# Altium PCB BB.PcbDoc (part 6 of 9)
Units mil, origin at the board's own origin, x right, y up, seen from the top; angles counter-clockwise.
Board outline 6860 x 3500 mil, 6 copper layers (Component Side, Ground Plane (GND), Inner Layer 1, Inner Layer 2, Power Plane (VCC), Solder Side), stack 51.068 mil thick; 496 components, 500 nets, 2194 pads, 1226 vias.
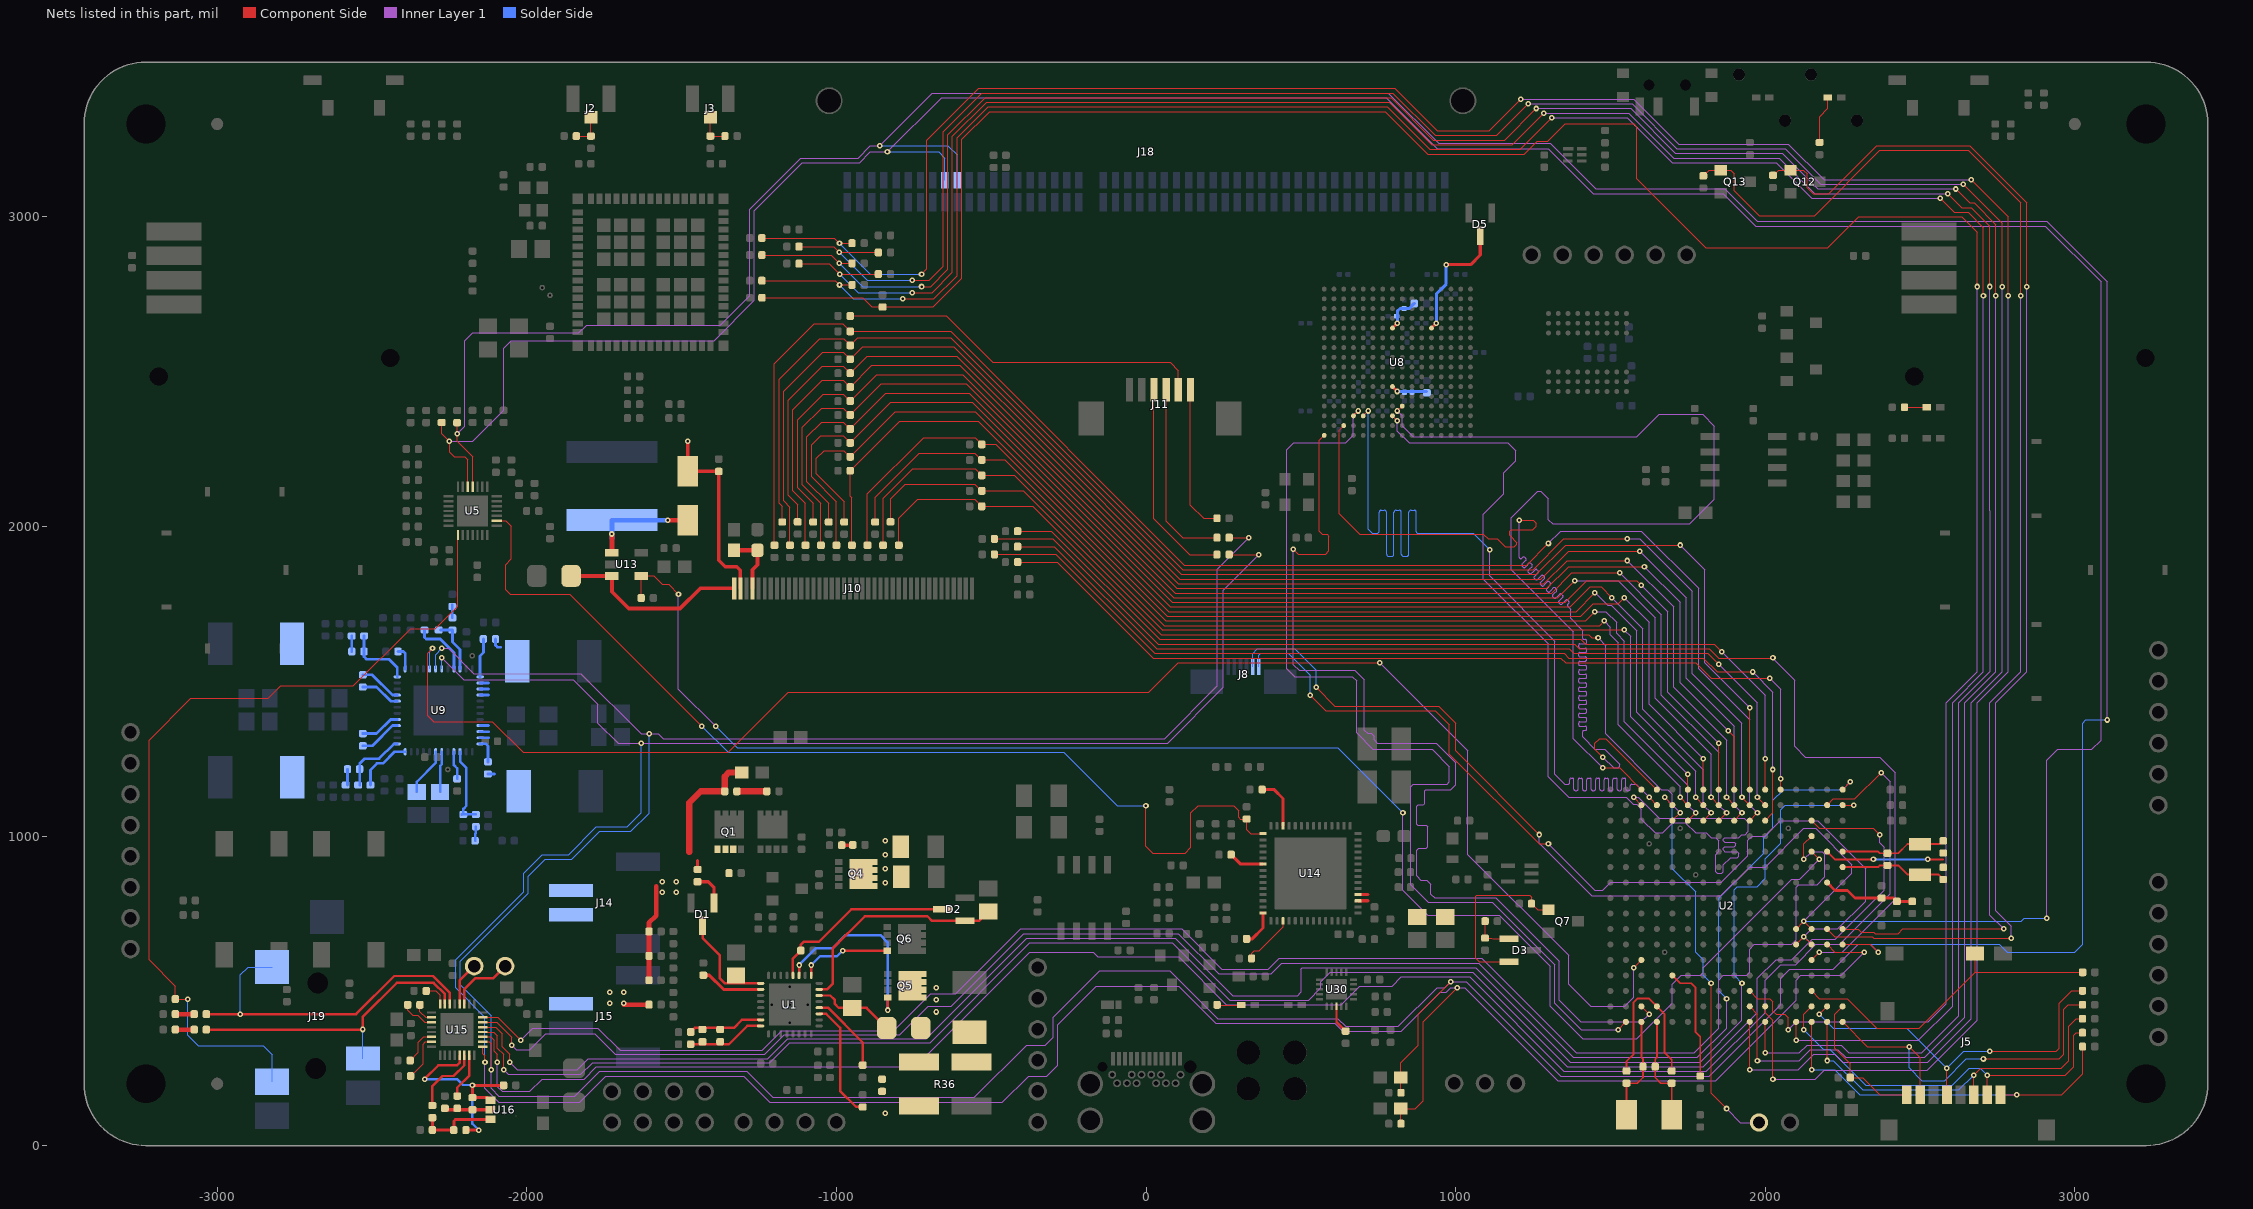
[diagram p10: the nets of this part, all layers, seen from the top]

## Via types
v1: diameter 18, hole 8, Component Side to Solder Side, tented both sides, 1183 vias
v2: diameter 19.68, hole 8, Component Side to Solder Side, tented bottom, 32 vias
v3: diameter 19.68, hole 7.87, Component Side to Solder Side, tented bottom, 4 vias
v4: diameter 19.68, hole 8, Component Side to Solder Side, tented both sides, 4 vias
v5: diameter 18, hole 8, Component Side to Solder Side, tented bottom, 3 vias

## Nets (pads, with @x,y where several pads share a name; then routed paths per layer and width w, separated by ;. In a path a pad name is that pad's centre, name@x,y a point inside that pad or via, vN(x,y) a via of type N, cw(c..) or ccw(c..) an arc to the next point about the centre after c; other vN are vias at no path point) (continued)
GPMC_CSN1: U2.P2 U8.P8 | length 3273.3
  Component Side w4: U8.P8@796.06,2357.28 v1(811.81,2341.53) ; v1(1575,1124.82) U2.P2@1600,1099.82
  Inner Layer 1 w4: v1(811.81,2341.53) 811.81,2308.19 850,2270 1169,2270 1195,2244 1195,2213 1155,2173 1155,2105 1090,2040 1090,1830 1299,1621 1299,1191 1365.18,1124.82 1551.18,1124.82 1574,1102 1584.82,1102 1600,1086.82 1600,1055 1644.51,1010.49 1669.49,1010.49 1702,1043 1742,1043 1775,1010 1810,1010 1825,995 1840,995 1850,985 1850,950.18 1840,940.18 1840,885 1845,880 1860,880 1865,885 1865,906.82 1888.18,930 1910,930 1915,935 1915,945 1910,950 1870,950 1865,955 1865,960 1870,965 1900,965 1905,970 1905,975 1900,980 1870,980 1865,985 1865,990 1870,995 1915,995 1925,1005 1935,1005 1945,1015 1945,1045 1933,1057 1658,1057 1590.18,1124.82 v1(1575,1124.82)
GPMC_CSN2: U2.P1 U8.N9 | length 3273.1
  Component Side w4: v1(811.81,2373.03) U8.N9@827.56,2388.78 ; v1(1475,1220) 1529.82,1220 U2.P1@1600,1149.82
  Inner Layer 1 w4: v1(811.81,2373.03) 827.56,2357.28 827.56,2325.75 863.31,2290 1585,2290 1657,2362 1798,2362 1836,2324 1836,2088 1756,2008 1314,2008 1300,2022 1300,2089 1275,2114 1266,2114 1180,2028 1180,1860 1380,1660 1380,1315 v1(1475,1220)
GPMC_OEN_REN: U2.N1 U8.R3 | length 3272.9
  Component Side w4: U8.R3@638.58,2325.79 623.78,2310.98 623.78,2041.73 690.51,1975 1090,1975 1105,1960 1134.84,1960 1160.04,1934.8 1189.8,1934.8 1198,1943 1198,1948 1175,1971 1175,1985 1179.93,1989.93 1249.93,1989.93 1260,2000 1260,2010 1250,2020 v1(1205,2020) ; v1(1475,1255) 1450,1280 1450,1300 1465,1315 1484.82,1315 U2.N1@1650,1149.82
  Inner Layer 1 w4: v1(1205,2020) 1205,1900 1206,1899 1207.98,1897.02 ccw(c1210.95,1899.99) 1213.92,1897.02 1217.17,1900.27 cw(c1220.14,1897.3) 1223.11,1900.27 1227.07,1896.31 cw(c1224.1,1893.34) 1227.07,1890.37 1220.85,1884.15 1214.63,1877.93 ccw(c1217.6,1874.96) 1214.63,1871.99 1218.59,1868.03 ccw(c1221.56,1871) 1224.53,1868.03 1230.75,1874.25 1236.97,1880.47 cw(c1239.94,1877.5) 1242.91,1880.47 1246.87,1876.51 cw(c1243.9,1873.54) 1246.87,1870.57 1240.65,1864.35 1234.43,1858.13 ccw(c1237.4,1855.16) 1234.43,1852.19 1238.39,1848.23 ccw(c1241.36,1851.2) 1244.33,1848.23 1250.55,1854.45 1256.77,1860.67 cw(c1259.74,1857.7) 1262.71,1860.67 1266.67,1856.72 cw(c1263.7,1853.75) 1266.67,1850.78 1260.45,1844.55 1254.22,1838.33 ccw(c1257.19,1835.36) 1254.22,1832.39 1258.18,1828.43 ccw(c1261.15,1831.4) 1264.12,1828.43 1270.35,1834.65 1276.57,1840.88 cw(c1279.54,1837.91) 1282.51,1840.88 1286.47,1836.92 cw(c1283.5,1833.95) 1286.47,1830.98 1280.25,1824.75 1274.02,1818.53 ccw(c1276.99,1815.56) 1274.02,1812.59 1277.98,1808.63 ccw(c1280.95,1811.6) 1283.92,1808.63 1290.15,1814.85 1296.37,1821.08 cw(c1299.34,1818.11) 1302.31,1821.08 1306.27,1817.12 cw(c1303.3,1814.15) 1306.27,1811.18 1300.05,1804.95 1293.82,1798.73 ccw(c1296.79,1795.76) 1293.82,1792.79 1297.78,1788.83 ccw(c1300.75,1791.8) 1303.72,1788.83 1309.94,1795.06 1316.17,1801.28 cw(c1319.14,1798.31) 1322.11,1801.28 1326.07,1797.32 cw(c1323.1,1794.35) 1326.07,1791.38 1319.84,1785.16 1313.62,1778.93 ccw(c1316.59,1775.96) 1313.62,1772.99 1317.58,1769.03 ccw(c1320.55,1772) 1323.52,1769.03 1329.74,1775.26 1335.97,1781.48 cw(c1338.94,1778.51) 1341.91,1781.48 1345.87,1777.52 cw(c1342.9,1774.55) 1345.87,1771.58 1339.64,1765.36 1333.42,1759.13 ccw(c1336.39,1756.16) 1333.42,1753.19 1337.38,1749.23 ccw(c1340.35,1752.2) 1343.32,1749.23 1349.54,1755.46 1355.77,1761.68 cw(c1358.74,1758.71) 1361.7,1761.68 1365.66,1757.72 cw(c1362.69,1754.75) 1365.66,1751.78 1362.41,1748.53 ccw(c1365.38,1745.56) 1362.41,1742.59 1369.34,1735.66 1372,1733 1372,1703 1406.5,1668.5 1410,1665 1410,1654 1410,1649 1410,1639.2 ccw(c1414.2,1639.2) 1414.2,1635 1418.8,1635 cw(c1418.8,1630.8) 1423,1630.8 1423,1625.2 cw(c1418.8,1625.2) 1418.8,1621 1410,1621 1401.2,1621 ccw(c1401.2,1616.8) 1397,1616.8 1397,1611.2 ccw(c1401.2,1611.2) 1401.2,1607 1410,1607 1418.8,1607 cw(c1418.8,1602.8) 1423,1602.8 1423,1597.2 cw(c1418.8,1597.2) 1418.8,1593 1410,1593 1401.2,1593 ccw(c1401.2,1588.8) 1397,1588.8 1397,1583.2 ccw(c1401.2,1583.2) 1401.2,1579 1410,1579 1418.8,1579 cw(c1418.8,1574.8) 1423,1574.8 1423,1569.2 cw(c1418.8,1569.2) 1418.8,1565 1410,1565 1401.2,1565 ccw(c1401.2,1560.8) 1397,1560.8 1397,1555.2 ccw(c1401.2,1555.2) 1401.2,1551 1410,1551 1418.8,1551 cw(c1418.8,1546.8) 1423,1546.8 1423,1541.2 cw(c1418.8,1541.2) 1418.8,1537 1410,1537 1401.2,1537 ccw(c1401.2,1532.8) 1397,1532.8 1397,1527.2 ccw(c1401.2,1527.2) 1401.2,1523 1410,1523 1418.8,1523 cw(c1418.8,1518.8) 1423,1518.8 1423,1513.2 cw(c1418.8,1513.2) 1418.8,1509 1410,1509 1401.2,1509 ccw(c1401.2,1504.8) 1397,1504.8 1397,1499.2 ccw(c1401.2,1499.2) 1401.2,1495 1410,1495 1418.8,1495 cw(c1418.8,1490.8) 1423,1490.8 1423,1485.2 cw(c1418.8,1485.2) 1418.8,1481 1410,1481 1401.2,1481 ccw(c1401.2,1476.8) 1397,1476.8 1397,1471.2 ccw(c1401.2,1471.2) 1401.2,1467 1410,1467 1418.8,1467 cw(c1418.8,1462.8) 1423,1462.8 1423,1457.2 cw(c1418.8,1457.2) 1418.8,1453 1410,1453 1401.2,1453 ccw(c1401.2,1448.8) 1397,1448.8 1397,1443.2 ccw(c1401.2,1443.2) 1401.2,1439 1410,1439 1418.8,1439 cw(c1418.8,1434.8) 1423,1434.8 1423,1429.2 cw(c1418.8,1429.2) 1418.8,1425 1410,1425 1401.2,1425 ccw(c1401.2,1420.8) 1397,1420.8 1397,1415.2 ccw(c1401.2,1415.2) 1401.2,1411 1410,1411 1418.8,1411 cw(c1418.8,1406.8) 1423,1406.8 1423,1401.2 cw(c1418.8,1401.2) 1418.8,1397 1410,1397 1401.2,1397 ccw(c1401.2,1392.8) 1397,1392.8 1397,1387.2 ccw(c1401.2,1387.2) 1401.2,1383 1410,1383 1418.8,1383 cw(c1418.8,1378.8) 1423,1378.8 1423,1373.2 cw(c1418.8,1373.2) 1418.8,1369 1410,1369 1401.2,1369 ccw(c1401.2,1364.8) 1397,1364.8 1397,1359.2 ccw(c1401.2,1359.2) 1401.2,1355 1410,1355 1418.8,1355 cw(c1418.8,1350.8) 1423,1350.8 1423,1345.2 cw(c1418.8,1345.2) 1418.8,1341 1414.2,1341 ccw(c1414.2,1336.8) 1410,1336.8 1410,1327 1410,1320 1450,1280 1482,1280 1530,1232 1530,1225 1525,1220 1510,1220 v1(1475,1255)
GPMC_WAIT0: U2.P15 U8.T1 | length 3273.3
  Component Side w4: v1(476,1926) 492,1910 580,1910 591,1921 591,1969 585,1975 569,1975 560.2,1983.8 560.2,2278.9 U8.T1@575.59,2294.29 ; U2.P15@1600,449.82 v1(1625,424.82)
  Inner Layer 1 w4: v1(476,1926) 476,1554 495,1535 675,1535 705,1505 705,1342.58 715.65,1331.94 727.06,1331.94 736.94,1322.06 736.94,1310.65 747.58,1300 937,1300 1000,1237 1000,1166.46 983.54,1150 904,1150 900,1146 900,1105 896,1101 879,1101 874.8,1096.8 874.8,1038.2 878,1035 905,1035 910,1030 910,965 905,960 881,960 874.8,953.8 874.8,871.2 888,858 906,858 920,844 920,812.09 932.09,800 1130,800 1335,595 1335,470 1405,400 1600.18,400 v1(1625,424.82)
GPMC_WEN: U2.N2 U8.P5 | length 3214.7
  Component Side w4: U8.P5@701.57,2357.28 v1(717.32,2373.03) ; v1(1625,1124.82) U2.N2@1650,1099.82
  Inner Layer 1 w4: v1(1110,1925) 1110,1840 1320,1630 1320,1200 1349,1171 1353,1167 1354,1167 1363.1,1167 ccw(c1363.1,1171.9) 1368,1171.9 1368,1182.1 cw(c1372.9,1182.1) 1372.9,1187 1377.1,1187 cw(c1377.1,1182.1) 1382,1182.1 1382,1167 1382,1151.9 ccw(c1386.9,1151.9) 1386.9,1147 1391.1,1147 ccw(c1391.1,1151.9) 1396,1151.9 1396,1167 1396,1182.1 cw(c1400.9,1182.1) 1400.9,1187 1405.1,1187 cw(c1405.1,1182.1) 1410,1182.1 1410,1167 1410,1151.9 ccw(c1414.9,1151.9) 1414.9,1147 1419.1,1147 ccw(c1419.1,1151.9) 1424,1151.9 1424,1167 1424,1182.1 cw(c1428.9,1182.1) 1428.9,1187 1433.1,1187 cw(c1433.1,1182.1) 1438,1182.1 1438,1167 1438,1151.9 ccw(c1442.9,1151.9) 1442.9,1147 1447.1,1147 ccw(c1447.1,1151.9) 1452,1151.9 1452,1167 1452,1182.1 cw(c1456.9,1182.1) 1456.9,1187 1461.1,1187 cw(c1461.1,1182.1) 1466,1182.1 1466,1167 1466,1151.9 ccw(c1470.9,1151.9) 1470.9,1147 1475.1,1147 ccw(c1475.1,1151.9) 1480,1151.9 1480,1167 1480,1182.1 cw(c1484.9,1182.1) 1484.9,1187 1489.1,1187 cw(c1489.1,1182.1) 1494,1182.1 1494,1167 1494,1151.9 ccw(c1498.9,1151.9) 1498.9,1147 1503.1,1147 ccw(c1503.1,1151.9) 1508,1151.9 1508,1167 1508,1182.1 cw(c1512.9,1182.1) 1512.9,1187 1517.1,1187 cw(c1517.1,1182.1) 1522,1182.1 1522,1167 1522,1151.9 ccw(c1526.9,1151.9) 1526.9,1147 1531.1,1147 ccw(c1531.1,1151.9) 1536,1151.9 1536,1167 1536,1182.1 cw(c1540.9,1182.1) 1540.9,1187 1545.1,1187 cw(c1545.1,1182.1) 1550,1182.1 1550,1167 1550,1151.9 ccw(c1554.9,1151.9) 1554.9,1147 1559.1,1147 ccw(c1559.1,1151.9) 1564,1151.9 1564,1162.1 cw(c1568.9,1162.1) 1568.9,1167 1571,1167 1582.82,1167 v1(1625,1124.82)
  Solder Side w4: v1(717.32,2373.03) 717.32,1991.68 731,1978 741,1978 745.8,1978 ccw(c745.8,1985.2) 753,1985.2 753,2045.45 cw(c760.2,2045.45) 760.2,2052.65 769.8,2052.65 cw(c769.8,2045.45) 777,2045.45 777,1978 777,1910.55 ccw(c784.2,1910.55) 784.2,1903.35 793.8,1903.35 ccw(c793.8,1910.55) 801,1910.55 801,1978 801,2045.45 cw(c808.2,2045.45) 808.2,2052.65 817.8,2052.65 cw(c817.8,2045.45) 825,2045.45 825,1978 825,1910.55 ccw(c832.2,1910.55) 832.2,1903.35 841.8,1903.35 ccw(c841.8,1910.55) 849,1910.55 849,1978 849,2045.45 cw(c856.2,2045.45) 856.2,2052.65 865.8,2052.65 cw(c865.8,2045.45) 873,2045.45 873,1983 ccw(c878,1983) 878,1978 1057,1978 v1(1110,1925)
GPMC_WPN: U2.R16 U8.P4 | length 3273.9
  Component Side w4: U8.P4@670.08,2357.28 v1(685.83,2373.03) ; v1(1525,374.82) U2.R16@1550,399.82
  Inner Layer 1 w4: v1(685.83,2373.03) 670,2357.2 670,2295 645.86,2270.86 477.86,2270.86 455,2248 455,1540 480,1515 666,1515 680,1501 680,1333 733,1280 924,1280 980,1224 980,1175 973,1168 863,1168 855,1160 855,842 911,786 1119,786 1320,585 1320,460 1405.18,374.82 v1(1525,374.82)
HIDRV: Q5.4 U1.27 | length 627.5
  Component Side w8: U1.27@-1120.55,549.98 v1(-1120.55,583.44) ; v1(-834.53,438.15) Q5.4@-834.53,478.11
  Solder Side w8: v1(-1120.55,583.44) -1066.99,637 -1013,637 -970,680 -858,680 -834.53,656.53 v1(-834.53,438.15)
HP_DETECT_N: J19.4 R130.2 U5.8 | length 2821.1
  Component Side w4: v1@-3095,473.5 -3135,473.5 -3135,515 -3220,600 -3220,1310 -3085,1445 -2835,1445 -2795,1485 -2560,1485 -2375,1670 -2295,1670 -2222.24,1742.76 U5.8@-2222.24,1972.24
  Solder Side w4: v1@-3095,473.5 v1(-3095,473.33) -3095,356 -3061,322 -2850.63,322 -2822.64,294.01 J19.4@-2822.64,206.69
HSRN: C39.1 C41.1 R36.4 U1.19 | length 384.8
  Component Side w8: U1.19@-1055.59,425.96 -1032.96,425.96 -988,381 -988,177 -935.96,124.96 C41.1@-915,124.96
  other v1: -842.4,105.39
HSRP: C39.2 C40.1 R36.3 U1.20 | length 260.2
  Component Side w8: U1.20@-1055.59,445.65 -1027.65,445.65 -915,333 C40.1@-915,260
I2C0_SCL: J8.2 J18.17 R50.2 U2.C10 U2.D10 U5.26 | length 12710.2
  Component Side w4: R50.2@-2275,2335.63 -2275,2300 v1(-2250,2275) -2249,2274 -2249,2240 -2234,2225 -2200,2225 -2190.75,2215.75 U5.26@-2190.75,2127.76 ; v1(550,1480) 610,1420 945,1420 1000,1365 1000,1275 v1(1270,1005) ; U2.D10@2100,699.82 v1(2125,724.82) U2.C10@2150,699.82
  Inner Layer 1 w4: v1(-2250,2275) -2175,2275 -2075,2375 -2075,2575.31 -2050.32,2600 -1395.2,2600 -1265,2730.2 -1265,3020 -1110,3175 -925,3175 -890,3210 v1(-835,3210) -660,3385 776,3385 941,3220 1300,3220 1445,3075 1865,3075 1970,2970 2905,2970 3085,2790 3085,1310 3055,1280 2945,1280 2910,1245 v1(2910,735) ; v1(1270,1005) 1270,976.49 1439.49,807 1857,807 1950,900 2000,900 2125,1025 2162.5,1025 2280.18,907.33 2280.18,880 v1(2125,724.82)
  Solder Side w4: v1(-835,3210) -670,3210 -649.61,3189.61 J18.17@-649.61,3118.5 ; J8.2@344.49,1547.24 344.49,1589.49 360,1605 480,1605 550,1535 v1(550,1480) ; v1(2125,724.82) 2188.82,724.82 2826.82,724.82 2837,735 v1(2910,735)
I2C0_SDA: J8.1 J18.19 R49.2 U2.C11 U2.D11 U5.25 | length 13099.6
  Component Side w4: R49.2@-2225,2335.32 v1(-2225,2299.67) -2225,2275 -2175,2225 U5.25@-2175,2127.76 ; v1(530,1455) 580,1405 935,1405 980,1360 980,1265 1270,975 v1(1300,975) ; U2.D11@2100,649.82 v1(2125,674.82) U2.C11@2150,649.82
  Inner Layer 1 w4: v1(-2225,2299.67) -2200.28,2324.39 -2200.28,2599.72 -2175,2625 -1832,2625 -1807,2650 -1374.68,2650 -1280,2744.69 -1280,3025 -1115,3190 -930,3190 -890,3230 v1(-860,3230) -690,3400 782,3400 945,3237 1306,3237 1453,3090 1870,3090 1975,2985 2910,2985 3105,2790 v1(3105,1375) ; v1(1300,975) 1450,825 1475.26,825 1500.34,850.08 1858.08,850.08 1944,936 1944,985.91 1958.09,1000 1999,1000 2049,1050 2169,1050 2324,895 2324,789 2235,700 2150.18,700 v1(2125,674.82)
  Solder Side w4: v1(-860,3230) -640,3230 -610.24,3200.24 J18.19@-610.24,3118.5 ; J8.1@364.17,1547.24 364.17,1584.17 370,1590 460,1590 530,1520 v1(530,1455) ; v1@2125.82,674 2149.82,650 2755.94,650 2781.12,624.82 2999.82,624.82 3025,650 3025,1365 3035,1375 v1(3105,1375)
I2C1_SCL: R56.2 R124.1 T4.2 U2.B11 U9.43 U15.9 | length 10819.8
  Component Side w4: U15.9@-2142.32,319.81 -2142.32,297.32 -2135,290 v1(-2135,269.96) ; R124.1@268.5,1909 v1(364.68,1909) ; R56.2@823.46,71.04 T4.2@823.46,120 869.68,120 895,145.32 895,400 v1(1005,510) ; U2.B11@2200,649.82 2224.82,625 v1(2320,625)
  Inner Layer 1 w4: v1(-2274.68,1576.14) -2203.54,1505 -1850,1505 -1770,1425 -1770,1365 -1705,1300 -1605,1300 70,1300 250,1480 250,1794.32 v1(364.68,1909) ; v1(-2135,269.96) -2135,185.04 -2090.96,141 -1829,141 -1745,225 -1300,225 -1215,140 -464,140 -379,225 -320,225 -285,260 -285,390 -160,515 105,515 225,395 610,395 635,370 825,370 949.86,494.86 969.86,494.86 985,510 v1(1005,510) 1030,510 1330,210 1840,210 2100,470 2100,535 2115,550 2245,550 v1(2320,625)
  Solder Side w4: U9.43@-2274.68,1540 v1(-2274.68,1576.14) ; v1(-2135,269.96) -2135,415 -2230,510 -2230,600 -2010,820 -2010,880 -1950,940 -1865,940 -1775.04,1029.96 -1675.72,1029.96 -1630,1075.68 v1(-1630,1300)
I2C1_SDA: R57.2 R125.1 T5.2 U2.A11 U9.42 U15.10 | length 10830.7
  Component Side w4: U15.10@-2142.32,335.56 -2120.56,335.56 -2115,330 v1(-2115,245) ; R125.1@268.5,1963.86 v1(331.5,1963.86) ; R57.2@823.46,171.04 T5.2@823.46,220 823.46,268.46 880,325 880,425 v1(985,530) ; U2.A11@2250,649.82 2340,649.82 v1(2365,624.82)
  Inner Layer 1 w4: v1(-2274.53,1606.14) -2251.84,1606.14 -2170.7,1525 -1825,1525 -1630,1330 -1575,1330 -1560,1315 60,1315 230,1485 230,1862.36 v1(331.5,1963.86) ; v1(-2115,245) -2115,185 -2090,160 -1845,160 -1765,240 -1290,240 -1206,156 -554,156 -385,325 -325,325 -300,350 -300,415 -150,565 76,565 231,410 620,410 645,385 815,385 940,510 965,510 v1(985,530) 1035,530 1340,225 1820,225 2050,455 2050,540 2080,570 2220,570 2300,650 2339.82,650 v1(2365,624.82)
  Solder Side w4: U9.42@-2294.37,1540 -2294.37,1586.3 v1(-2274.53,1606.14) ; v1(-2115,245) -2115,420 -2215,520 -2215,595 -1995,815 -1995,870 -1940,925 -1855,925 -1765,1015 -1664,1015 -1605,1074 v1(-1605,1330)
I2C_PWR_ALERT: U2.P12 U9.41 | length 5210
  Component Side w4: v1(-2304.53,1606.14) -2320,1590.67 -2320,1389 -2301,1370 -2111,1370 -2011,1270 -1350,1270 -1155,1465 9,1465 104,1560 v1(755,1560) ; v1(1575,574.54) U2.P12@1600,599.54
  Inner Layer 1 w4: v1(755,1560) 1040,1275 1040,940 1365,615 1365,521 1436,450 1546,450 1575,479 v1(1575,574.54)
  Solder Side w4: U9.41@-2314.06,1540 -2314.06,1596.61 -2309.53,1601.14 v1@-2309.53,1606.14
I2C_USB_IRQ_N: R150.2 U5.16 U14.43 | length 3340.8
  Component Side w4: U5.16@-2097.24,2018.5 -2068.5,2018.5 -2050,2000 -2050,1895 -2068,1877 -2068,1795 -2054,1781 -1861,1781 v1(-1435,1355) ; v1(-0.08,1098.27) -0.08,966.59 21.51,945 126.26,945 145,963.74 145,1075 168.27,1098.27 282.8,1098.27 300,1081.06 300,1060 305,1055 R150.2@325,1055 325,1020.91 338.35,1007.56 U14.43@377.72,1007.56
  Solder Side w4: v1(-1435,1355) -1350,1270 -265,1270 -93.27,1098.27 v1(-0.08,1098.27)
LCD_AC_BIAS_EN: R177.1 U2.E1 | length 2959.6
  Component Side w4: R177.1@-414.61,1885 -286,1885 24,1575 1340,1575 1355,1560 1775,1560 1825,1510 v1(2015,1510) ; U2.E1@2050,1149.82 v1(2050,1185.18)
  Inner Layer 1 w4: v1(2015,1510) 2050,1475 v1(2050,1185.18)
LCD_DATA0: R5.1 R93.1 U2.G3 | length 4908.2
  Component Side w4: R93.1@-1200,1939.37 -1200,2525 -1071,2654 -979.32,2654 R5.1@-955.32,2630 -631,2630 124,1875 1230,1875 v1(1300,1945) ; U2.G3@1950,1049.82 v1(1975,1074.82)
  Inner Layer 1 w4: v1(1300,1945) 1340,1985 1600,1985 1785,1800 1785,1540 1950,1375 1950,1099.82 v1(1975,1074.82)
LCD_DATA1: R4.1 R94.1 U2.G2 | length 4678.7
  Component Side w4: R94.1@-1175,2014.37 -1175,2065 -1185,2075 -1185,2476 -1054,2607 -977,2607 -955.16,2585.16 -930.32,2610 -631,2610 119,1860 1250,1860 1350,1960 v1(1555,1960) ; v1(1925,1124.82) U2.G2@1950,1099.82
  Inner Layer 1 w4: v1(1555,1960) 1595,1960 1765,1790 1765,1525 1925,1365 v1(1925,1124.82)
LCD_DATA2: R3.1 R128.1 U2.G1 | length 4705.1
  Component Side w4: R128.1@-1150,1939.37 -1150,2062.59 -1170,2082.59 -1170,2436 -1044,2562 -977.24,2562 R3.1@-955.32,2540 -915.08,2580.24 -621.24,2580.24 114,1845 1260.13,1845 1355.13,1940 v1(1725,1940) ; U2.G1@1950,1149.82 v1(1950,1415)
  Inner Layer 1 w4: v1(1725,1940) 1805,1860 1805,1560 v1(1950,1415)
LCD_DATA3: R16.1 R141.1 U2.H3 | length 4585.8
  Component Side w4: R141.1@-1125,2014.8 -1125,2070 -1155,2100 -1155,2408 -1046,2517 -977.24,2517 R16.1@-955.35,2495.12 ; R16.1@-955.47,2495 R16.1@-955.35,2495.12 ; R16.1@-955.24,2495 R16.1@-955.35,2495.12 ; v1(1595,1920) 1365,1920 1275,1830 109,1830 -371.3,2310.3 -556,2495 -611.24,2550.24 -900.24,2550.24 R16.1@-955.35,2495.12 ; U2.H3@1900,1049.82 v1(1925,1074.82)
  Inner Layer 1 w4: v1(1595,1920) 1745,1770 1745,1510 1900,1355 1900,1099.82 v1(1925,1074.82)
LCD_DATA4: R2.1 R142.1 U2.H2 | length 4483.2
  Component Side w4: R142.1@-1100,1939.37 -1100,2075 -1140.24,2115.24 -1140.24,2376.76 -1045,2472 -977.24,2472 R2.1@-955.32,2450 -885.08,2520.24 -601.24,2520.24 -531,2450 -377.16,2296.16 104,1815 1285,1815 1360,1890 v1(1555,1890) ; v1(1875,1124.82) U2.H2@1900,1099.82
  Inner Layer 1 w4: v1(1555,1890) 1705,1740 1705,1480 1875,1310 v1(1875,1124.82)
LCD_DATA5: R15.1 R143.1 U2.H1 | length 4325.9
  Component Side w4: R143.1@-1075,2014.37 -1075,2075 -1125,2125 -1125,2345 -1043,2427 -977.24,2427 R15.1@-955.24,2405 ; R15.1@-951,2404.53 -951,2409.24 -869.76,2490.47 -591.47,2490.47 99,1800 1295,1800 1365,1870 v1(1610,1870) ; v1(1880,1340) 1900,1320 U2.H1@1900,1149.82
  Inner Layer 1 w4: v1@1605,1875 v1(1610,1870) 1725,1755 1725,1495 v1(1880,1340)
LCD_DATA6: R14.1 R144.1 U2.J3 | length 4381.8
  Component Side w4: R144.1@-1050,1939.37 -1050,2075 -1110,2135 -1110,2320 -1048,2382 -977.24,2382 R14.1@-955.32,2360 -855.08,2460.24 -581.24,2460.24 94,1785 1310,1785 1375,1850 v1(1530,1850) ; U2.J3@1850,1049.82 v1(1875,1074.82)
  Inner Layer 1 w4: v1(1530,1850) 1665,1715 1665,1455 1850,1270 1850,1099.82 v1(1875,1074.82)
LCD_DATA7: R13.1 R145.1 U2.J2 | length 4157.3
  Component Side w4: R145.1@-1025,2014.37 -1025,2075 -1095,2145 -1095,2290 -1048,2337 -977.47,2337 -955.39,2314.92 R13.1@-955.32,2315 -839.84,2430.47 -571.47,2430.47 89,1770 1330,1770 v1(1385,1825) ; v1(1825,1124.82) U2.J2@1850,1099.82
  Inner Layer 1 w4: v1(1385,1825) 1525,1825 1645,1705 1645,1445 1825,1265 v1(1825,1124.82)
LCD_DATA8: R12.1 R146.1 U2.J1 | length 4179.7
  Component Side w4: R146.1@-1000,1939.37 -1000,2080 -1080,2160 -1080,2264 -1051,2293 -978.47,2293 -955.39,2269.92 R12.1@-955.32,2270 -824.84,2400.47 -561.47,2400.47 84,1755 1354,1755 1424,1825 1585,1825 v1(1600,1810) ; U2.J1@1850,1149.82 v1(1850,1300)
  Inner Layer 1 w4: v1(1600,1810) 1685,1725 1685,1465 v1(1850,1300)
LCD_DATA9: R11.1 R151.1 U2.K3 | length 4057.4
  Component Side w4: R151.1@-974.92,2014.37 -974.92,2079.48 -1065,2169.56 -1065,2220 -1040,2245 -975.47,2245 -955.39,2224.92 R11.1@-955.32,2225 -809.84,2370.47 -551.47,2370.47 79,1740 1370,1740 1435,1805 1469.72,1805 v1(1504.72,1770) ; U2.K3@1800,1049.82 v1(1825,1074.82)
  Inner Layer 1 w4: v1(1504.72,1770) 1605,1669.72 1605,1410 1800,1215 1800,1099.82 v1(1825,1074.82)
LCD_DATA10: R10.1 R152.1 U2.K2 | length 3831.6
  Component Side w4: R152.1@-950,1939.37 -950,2092 -955.47,2097.47 -955.47,2180 -795,2340.47 -541.47,2340.47 74,1725 1389,1725 v1(1450,1786) ; v1(1775,1124.82) U2.K2@1800,1099.82
  Inner Layer 1 w4: v1@1454,1786 1454,1782 1491,1745 1503,1745 1585,1663 1585,1400 1775,1210 v1(1775,1124.82)
LCD_DATA11: R9.1 R163.1 U2.K1 | length 3675.5
  Component Side w4: R163.1@-899.55,1939.37 -899.55,2105.45 -718,2287 -551.85,2287 -529.85,2265 -486,2265 69,1710 1405,1710 1445,1750 1525,1750 v1(1545,1770) ; U2.K1@1800,1149.82 v1(1800,1250)